# KiCad board panel.opm-inline.kicad_pcb (continued)
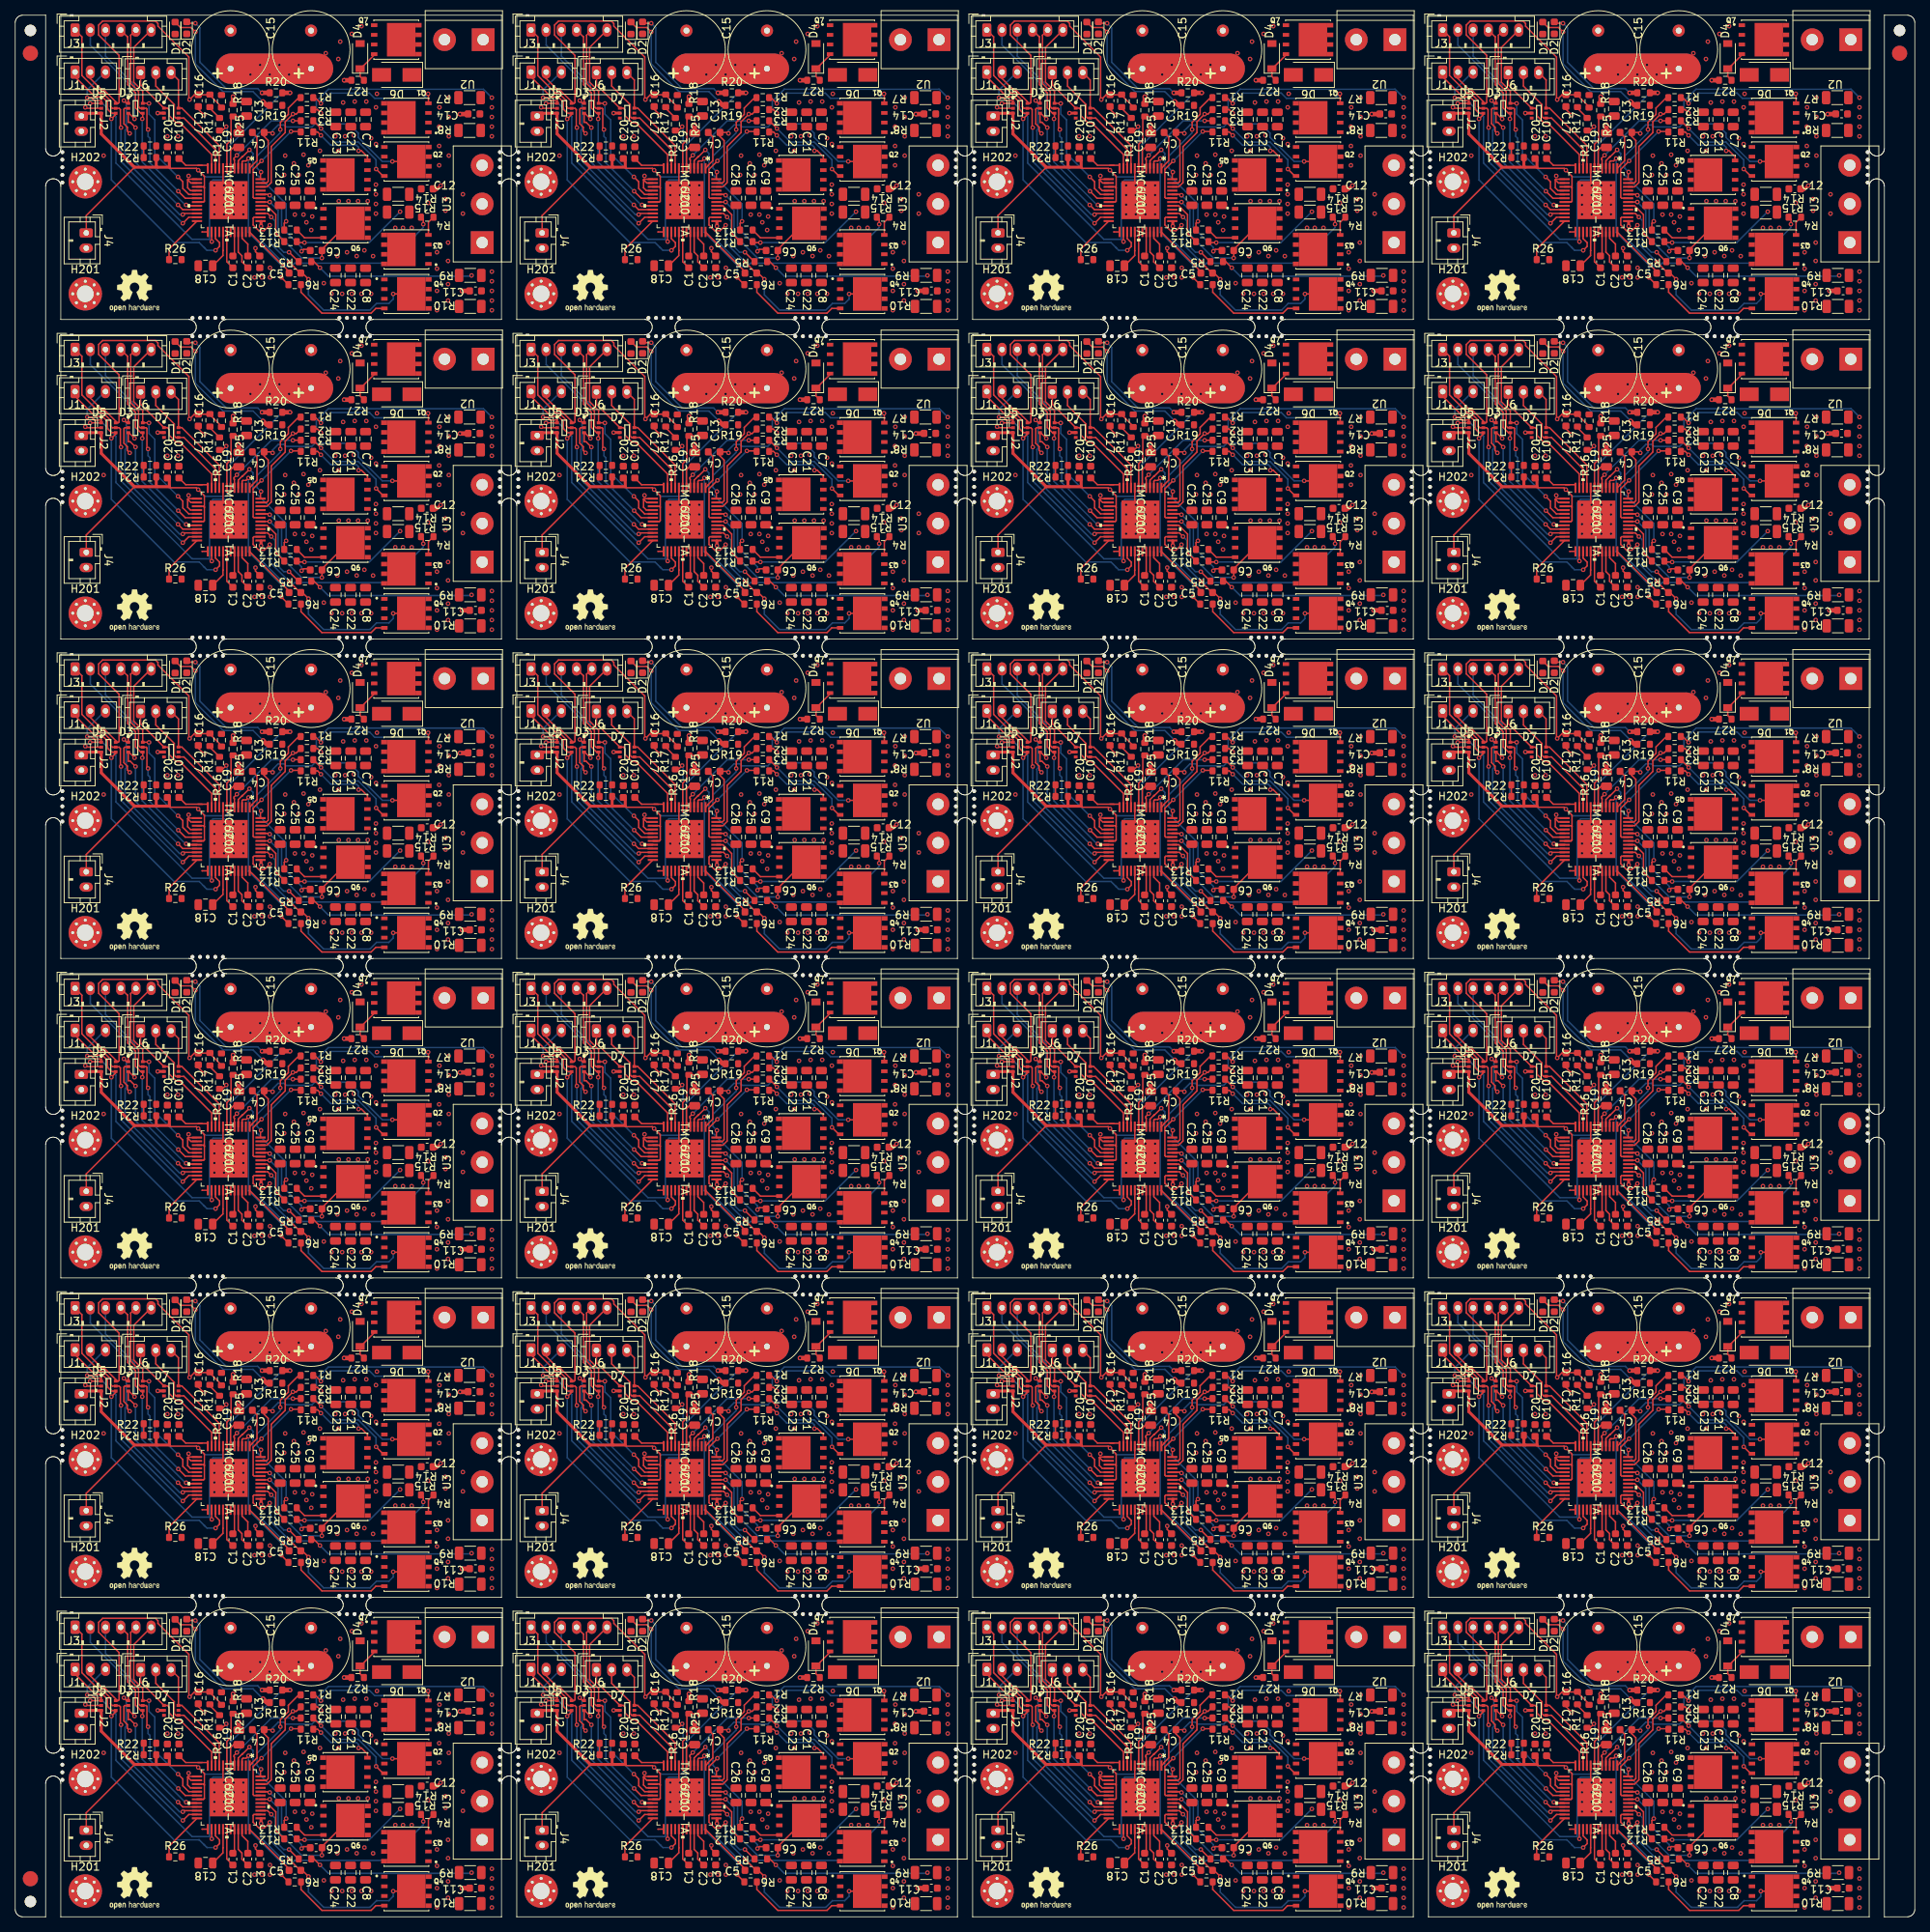
[diagram p0: board, top side]
## Routing (per net, layer and track width the routed paths; a pad name or vN(x,y) marks a point on that pad's centre or on a via; arc(x,y) is an arc through that point) (continued)
Board_10-/ADC_I_v: length 17.7
  Top w0.2: 146.17,146.33 146.23,146.27 IC1#4.10 146.23,148.31 142.08,152.45 D7#17.4 141.03,152.45 140.82,152.66 140.82,154.23 138.39,156.66 J6#2.2 138.89,157.93
Board_10-/ADC_I_w: length 17
  Top w0.2: IC1#4.11 145.73,147.66 141.56,151.83 141.08,151.83 140.16,152.75 140.16,153.51 139.92,153.75 D7#17.1 136.39,156.84 J6#2.1
Board_10-/Connectors/VOFS: length 1.8
  Top w0.2: R22#18.1 R21#11.2 ; 136.48,147.13 136.8,147.13
Board_10-/DRV_EN: length 38.5
  Top w0.2: v1(132.54,152.34) 133.11,152.91 D5#5.4 132.56,153.09 132.04,153.61 132.04,154.56 131.34,155.25 130.4,155.25 127.77,157.88 J1#20.1 ; v1(146.25,135.07) 146.77,135.59 146.77,136.08 146.23,136.61 IC1#4.27 146.23,137.07 146.25,137.05
  Bottom w0.2: 144.74,135.45 144.86,135.32 ; 144.74,135.45 144.1,136.09 140.78,136.09 132.54,144.32 v1(132.54,152.34) ; 144.74,135.45 145.12,135.07 v1(146.25,135.07)
Board_10-/FAULT: length 63.4
  Top w0.2: v1(129.75,154.37) 129.77,154.39 D5#5.1 131.21,154.7 ; 131.27,154.75 130.33,154.75 129.95,155.14 v1(129.37,155.14) ; v1(145.75,136.21) 145.73,136.23 IC1#4.26
  Top w0.6: R20#15.2 v1(156.04,155.77)
  Bottom w0.2: 133.05,152.72 132.83,152.94 ; 133.05,152.72 133.14,152.63 133.14,146.54 143.17,136.51 145.45,136.51 ; 133.05,152.72 131.4,154.37 v1(129.75,154.37) ; 145.45,136.51 v1(145.75,136.21) ; 145.45,136.51 145.45,143.85 145.92,144.32 147.95,144.32 148.18,144.56 148.18,148.93 R20#15.2 v1(156.04,155.77) ; J1#20.3 131.71,158.5 129.37,156.15 v1(129.37,155.14)
Board_10-/Motor Driver/VOFS: length 4.7
  Top w0.2: 143.94,146.25 145.21,146.25 ; C10#17.1 142.32,146.25 144.48,146.25
Board_10-/TEMP_PCB: length 42.5
  Top w0.2: 133.11,161.14 133.1,161.15 ; 133.1,161.15 133.56,160.69 133.56,154.5 133.45,154.39 D5#5.6 133.11,154.61 131.68,156.05 131.38,156.05 129.77,157.65 J1#20.2 ; 133.1,161.15 130.87,163.38 130.87,164.67 131.4,165.2 138.35,165.2 138.67,164.88 138.67,164.54 142.74,160.47 142.74,154.97 v1(142.83,154.88) 143.47,155.52 C17#4.1 145.47,155.52 R17#22.2 145.5,155.45 147.02,153.93
Board_10-/U: length 27.2
  Top w0.2: R2#14.1 159.64,153.57 v1(160.1,153.1)
  Bottom w0.2: v1(182.58,155.14) 181.47,156.24 161.09,156.24 159.5,154.66 159.5,153.7 v1(160.1,153.1)
  vias: v1(182.58,153.87) v1(182.58,152.6) v1(182.58,151.33) v1(182.58,150.06)
Board_10-/UH: length 27.5
  Top w0.2: v1(141.31,144.72) 141.94,144.09 141.94,143.2 142.72,142.42 IC1#4.17 ; 137.77,163.67 J3#5.6 135.49,161.74 135.49,157.17 136.67,155.99 D3#20.6 137.48,154.39 v1(137.5,154.37)
  Bottom w0.2: v1(137.5,154.37) 137.5,152.98 138.26,152.22 138.26,147.77 v1(141.31,144.72)
Board_10-/UL: length 27.4
  Top w0.2: v1(137.37,150.94) 137.22,151.1 137.22,153.64 137.12,153.74 D3#20.5 136.33,153.74 136.12,153.95 136.12,155.95 135.97,156.09 135.97,156.12 135.09,157 135.09,163.34 J3#5.5 ; IC1#4.18 142.26,141.92 v1(141.34,142.84)
  Bottom w0.2: v1(137.37,150.94) 137.37,150.06 137.62,149.8 137.62,146.55 v1(141.34,142.84)
Board_10-/V: length 15.3
  Top w0.2: R12#22.1 157.05,136.09 v1(157.94,136.09)
  Bottom w0.2: v1(170.52,140.15) 166.45,136.09 v1(157.94,136.09)
  vias: v1(174.2,141.29) v1(176.49,141.8) v1(176.49,140.28) v1(178.77,142.44) v1(178.77,139.9)
Board_10-/VH: length 30.4
  Top w0.2: v1(142.38,141.04) 142.5,140.92 IC1#4.20 142.93,140.92 ; D3#20.4 136.41,153.09 135.72,153.78 135.72,155.77 135.32,156.17 135.32,156.21 134.69,156.84 134.69,163.14 134.66,163.14 J3#5.4 ; D3#20.4 136.47,153.09 ; D3#20.4 136.67,152.28
  Bottom w0.2: 136.61,152.21 136.61,146.68 142.38,140.92 142.19,140.92 142.19,141.03 ; 134.32,163.48 J3#5.4
  vias: v1(136.61,152.34)
Board_10-/VL: length 32.1
  Top w0.2: IC1#4.21 141.93,140.42 v1(141.31,141.04) ; v1(135.59,152.34) 134.85,153.09 D3#20.3 ; 134.83,153.03 D3#20.3 ; D3#20.3 134.77,151.89 135.02,151.89 v1(135.72,151.2)
  Bottom w0.2: v1(135.59,152.34) 135.59,156.79 131.77,160.61 J3#5.3 ; v1(141.31,141.04) 135.72,146.63 v1(135.72,151.2)
Board_10-/VSA: length 5
  Top w0.2: C18#9.1 147.22,134.39 147.22,135.03 147.23,135.04 IC1#4.29
Board_10-/W: length 21.9
  Top w0.2: 158.86,133.8 158.83,133.78 ; R5#21.1 159.18,133.58 v1(159.98,132.78)
  Bottom w0.2: v1(159.98,132.78) 161.08,131.68 179.82,131.68 v1(179.92,131.77)
  vias: v1(182.58,132.28) v1(182.58,131.01) v1(182.58,129.74) v1(182.58,128.47) v1(182.58,127.2)
Board_10-/WH: length 33.7
  Top w0.2: v1(134.2,154.75) 134.56,154.39 D3#20.1 ; IC1#4.22 142.09,139.92 v1(141.94,139.77) ; D3#20.1 134.7,154.45 ; D3#20.1 134.77,155.2 v1(134.96,155.39)
  Bottom w0.2: 134.81,146.48 141.52,139.77 v1(141.94,139.77) ; 134.81,146.48 134.36,146.93 134.36,150.85 134.5,150.99 134.5,154.45 v1(134.2,154.75) ; 134.81,146.48 134.7,146.58 ; 133.41,158.4 133.21,158.6 ; 133.21,158.6 129.77,162.04 J3#5.2 ; 133.21,158.6 134.61,157.2 ; 134.7,157.11 134.61,157.2 ; 134.61,157.2 134.96,156.86 v1(134.96,155.39)
Board_10-/WL: length 34.8
  Top w0.2: IC1#4.23 142.73,139.42 v1(141.94,138.63) ; v1(133.81,151.2) 133.73,151.28 133.73,153.57 133.56,153.74 D5#5.5 132.66,153.74 132.44,153.97 132.44,154.72 131.51,155.65 131.07,155.65 128.67,158.05 128.67,163.13 J3#5.1 127.79,164.03
  Bottom w0.2: v1(141.94,138.63) 133.81,146.75 v1(133.81,151.2) ; 127.77,163.48 J3#5.1
Board_10-GND: length 31.2
  Top w0.2: 179.44,152.98 C14#20.2 ; C17#4.2 143.97,153.61 v1(144.74,152.85) ; D5#5.2 129.24,153.74 v1(129.12,153.87) ; 144.48,137.48 144.49,137.49 IC1#4.25 145.23,137.38 ; 149.73,143.42 IC1#4.EPAD ; IC1#4.EPAD 147.23,142.42 IC1#4.8 ; IC1#4.EPAD 145.73,139.42 ; v1(134.96,150.44) 134.66,150.74 134.66,151.24 134.2,151.71 134.2,153.61 134.32,153.74 D3#20.2 ; C3#24.2 151.49,134.89 v1(151.49,135.35) ; IC1#4.13 142.65,144.42 142.58,144.34 ; IC1#4.14 143,143.92 142.58,144.34 ; 142.58,144.34 142.58,143.29 142.95,142.92 IC1#4.16
  Top w0.4: 174.85,143.07 175.34,143.07 v1(175.85,143.58) ; D7#17.2 v1(138.64,153.1)
  Top w0.6: v1(163.15,157.42) R27#4.2 ; v1(178.65,129.74) C11#7.2 ; v1(178.39,152.98) 179.44,152.98 ; C19#2.2 v1(149.31,151.58)
  vias: v1(131.53,147.52) v1(139.91,150.06) v1(141.31,150.06) v1(142.7,144.85) v1(146.09,143.61) v1(146.09,142.34) v1(146.09,141.07) v1(146.09,139.8) v1(147.36,143.61) v1(147.36,142.34) v1(147.36,141.07) v1(147.36,139.8) v1(148.63,143.61) v1(148.63,142.34) v1(148.63,141.07) v1(148.63,139.8) v1(149.9,143.61) v1(149.9,142.34) v1(149.9,141.07) v1(149.9,139.8) v1(156.67,139.77) v1(157.82,139.77) v1(158.2,138.75) v1(158.83,137.74) v1(158.96,139.51) v1(160.48,130.75) v1(161.5,129.35) v1(162.01,150.06) v1(162.9,129.35) v1(163.28,150.06) v1(164.17,129.35) v1(164.42,150.18) v1(165.44,129.35) v1(166.71,149.8) v1(166.71,129.35) v1(167.34,149.04)
Board_10-Net-(C1-Pad1): length 5
  Top w0.2: IC1#4.30 147.73,133.57 C1#20.1
Board_10-Net-(C1-Pad2): length 3.2
  Top w0.2: C1#20.2 148.73,134.54 IC1#4.32
Board_10-Net-(C2-Pad2): length 3.5
  Top w0.2: IC1#4.34 149.73,136.65 150.49,135.89 C2#23.2
Board_10-Net-(C4-Pad1): length 31
  Top w0.2: C4#14.1 152.64,150.09 ; C4#14.1 153.63,150.56 v1(153.75,150.44) ; C4#14.1 152.64,150.03 153.17,149.49 153.17,144.14 152.95,143.92 IC1#4.47 ; v1(169.5,146.75) 169.51,146.75 Q2#14.5
  Bottom w0.2: v1(153.75,150.44) 153.75,150.82 154.48,151.54 155.24,151.54 155.5,151.29 158.93,151.29 159.32,151.68 163.81,151.68 165.02,150.47 165.02,149.91 168.18,146.75 v1(169.5,146.75)
  vias: v1(175.69,153.87) v1(175.65,151.33) v1(175.65,148.79) v1(175.65,146.25) v1(176.92,155.14) v1(176.92,152.6) v1(176.92,150.06) v1(176.92,147.52)
Board_10-Net-(C4-Pad2): length 5.4
  Top w0.2: C4#14.2 151.69,149.96 151.69,146.85 151.09,146.25 151.09,146.2 IC1#4.1
Board_10-Net-(C5-Pad1): length 7.4
  Top w0.2: IC1#4.36 150.73,137.46 155.91,132.28
Board_10-Net-(C5-Pad2): length 31.7
  Top w0.2: v1(169.61,129.34) Q4.5 ; v1(158.47,131.27) 157.66,132.08 C5#19.2 ; v1(153.37,138.37) 152.65,137.64 151.94,137.64 151.19,138.4 151.19,139.3 151.31,139.42 IC1#4.38 ; 157.46,132.28 157.18,132.28 v1(155.91,133.55)
  Bottom w0.2: v1(153.37,138.37) 153.47,138.27 153.47,135.99 v1(155.91,133.55) ; v1(169.61,129.34) 169.61,128.65 169.04,128.08 167.41,128.08 166.54,127.22 160.46,127.22 158.47,129.21 v1(158.47,131.27)
  vias: v1(175.36,134.82) v1(175.36,132.66) v1(175.36,129.74) v1(175.36,127.2) v1(176.82,136.09) v1(176.82,133.67) v1(176.82,130.62) v1(176.82,128.47)
Board_10-Net-(C6-Pad1): length 19.3
  Top w0.2: v1(153.37,141.42) 153.37,141.42 IC1#4.42 ; Q6#13.5 163.67,138.63 160.24,135.2 160.24,134.07 v1(160.23,134.05)
  Bottom w0.2: v1(153.37,141.42) 154.47,140.32 154.47,137.15 157.56,134.05 v1(160.23,134.05)
  vias: v1(162.45,141.54) v1(163.72,141.54) v1(164.99,141.54) v1(166.26,141.54) v1(167.33,143.71) v1(167.33,142.44) v1(167.33,141.17) v1(167.33,139.9)
Board_10-Net-(C6-Pad2): length 12.4
  Top w0.2: v1(157.56,134.94) 157.82,135.2 158.69,135.2 ; v1(153.37,142.31) 153.27,142.42 IC1#4.44 153.01,142.42
  Bottom w0.2: v1(157.56,134.94) 157.56,135.45 154.93,138.08 154.93,140.75 v1(153.37,142.31)
Board_10-Net-(D1-Pad2): length 19.4
  Top w0.2: R19#19.1 152.99,154.12 ; D1#17.2 141.64,164.36 143.01,164.36 v1(143.59,163.77)
  Top w0.6: 152.99,154.12 v1(152.48,154.63)
  Bottom w0.2: v1(143.59,163.77) 143.59,159.58 147.24,155.93 151.18,155.93 v1(152.48,154.63)
Board_10-Net-(D2-Pad2): length 17.4
  Top w0.2: v1(143.59,164.91) 142.63,164.91 D2#16.2
  Top w0.6: R20#15.1 v1(152.36,155.77)
  Bottom w0.2: v1(143.59,164.91) 144.19,164.31 144.19,159.79 147.65,156.33 151.79,156.33 v1(152.36,155.77)
Board_10-Net-(D4-Pad1): length 4.4
  Top w0.2: 165.31,158.95 167.11,160.75 Q7#10.4 ; D4#23.1 165.26,157.92 R27#4.1
Board_10-Net-(IC1-Pad3): length 20.6
  Top w0.2: v1(150.58,147.13) 150.26,146.82 149.85,146.82 149.73,146.7 IC1#4.3 ; v1(154.9,131.51) 154.9,131.49 R6#4.2
  Bottom w0.2: v1(150.58,147.13) 150.58,137.43 154.9,133.11 v1(154.9,131.51)
Board_10-Net-(IC1-Pad4): length 16.7
  Top w0.2: 149.73,147.35 149.82,147.43 ; 149.73,147.35 149.23,146.85 IC1#4.4 149.23,146.66 ; 149.73,147.35 149.77,147.35 v1(150.71,148.28) ; v1(155.53,138.88) 155.28,138.63 R13#11.2
  Bottom w0.2: v1(155.53,138.88) 155.53,141.17 151.18,145.52 151.18,147.8 v1(150.71,148.28)
Board_10-Net-(IC1-Pad5): length 12.2
  Top w0.2: v1(149.05,147.56) 148.67,147.18 148.67,147.01 148.73,146.95 IC1#4.5 ; R3#11.2 156.43,152.1 v1(156.42,152.09)
  Bottom w0.2: v1(149.05,147.56) 153.58,152.09 v1(156.42,152.09)
Board_10-Net-(IC1-Pad24): length 6.6
  Top w0.2: R26#15.1 140.13,135.24 IC1#4.24
Board_10-Net-(IC1-Pad37): length 28.9
  Top w0.2: v1(173.57,138.5) 173.57,139.12 R4#10.2 ; 152.23,138.85 IC1#4.37
  Top w0.4: v1(152.23,138.24) 152.23,138.85
  Bottom w0.2: v1(173.57,138.5) 173.57,138.07 168.87,133.38 156.64,133.38 156.2,132.95 155.62,132.95 152.23,136.34 v1(152.23,138.24)
Board_10-Net-(IC1-Pad39): length 9.3
  Top w0.2: 157.18,133.78 156.95,133.78 v1(155.91,134.82) ; v1(153.57,139.44) 153.1,139.92 IC1#4.39
  Bottom w0.2: v1(153.57,139.44) 154.07,138.94 154.07,135.95 155.21,134.82 v1(155.91,134.82)
Board_10-Net-(IC1-Pad41): length 6.5
  Top w0.2: IC1#4.41 153.01,140.92 154.17,139.76 154.17,137.32 R12#22.2
Board_10-Net-(IC1-Pad43): length 13.1
  Top w0.2: IC1#4.43 151.31,141.92 151.19,142.04 151.19,145.71 v1(152.29,146.82) ; v1(156.17,150.69) 157.39,150.69 R11#10.2
  Bottom w0.2: v1(152.29,146.82) v1(156.17,150.69)
Board_10-Net-(IC1-Pad46): length 13.1
  Top w0.2: IC1#4.46 153.01,143.42 153.57,143.97 153.57,148.71 155.4,150.55 155.4,151.96 156.42,152.98 v1(156.42,152.98) 156.86,152.98 R2#14.2
Board_10-Net-(IC1-Pad48): length 13.8
  Top w0.2: R1#22.2 157.18,155.14 155.82,153.77 155.82,152.94 154.77,151.89 v1(154.77,150.94) ; v1(152.23,145.36) 152.16,145.29 IC1#4.48
  Bottom w0.2: v1(154.77,150.94) 154.77,150.52 151.69,147.44 151.69,145.89 v1(152.23,145.36) 152.23,145.61
Board_10-Net-(Q1-Pad4): length 17.8
  Top w0.2: Q1#5.4 174.24,155.6 v1(174.2,155.64) ; R1#22.1 159.34,155.14 v1(160.1,154.37)
  Bottom w0.2: v1(174.2,155.64) 173.6,155.04 167.18,155.04 166.49,155.74 161.47,155.74 v1(160.1,154.37)
Board_10-Net-(Q2-Pad4): length 13.2
  Top w0.2: v1(167.36,145.75) 168.27,144.84 Q2#14.4 ; 160.23,150.97 v1(160.11,151.08) R3#11.1
  Bottom w0.2: v1(167.36,145.75) 167.36,146.96 165.02,149.29 161.9,149.29 v1(160.11,151.08)
Board_10-Net-(Q3-Pad4): length 2.6
  Top w0.2: R4#10.1 174.24,138.76 Q3#6.4
Board_10-Net-(Q4-Pad4): length 13.5
  Top w0.2: Q4.4 167.32,127.43 166.71,126.81 160.23,126.81 157.48,129.56 R6#4.1 157.68,130.56
Board_10-Net-(Q5-Pad4): length 9.2
  Top w0.2: v1(160.1,150.18) 159.66,150.63 R11#10.1 ; Q5#13.4 166.22,147.37 165.44,148.15 v1(165.06,148.15)
  Bottom w0.2: v1(160.1,150.18) 161.4,148.89 164.78,148.89 165.06,148.6 v1(165.06,148.15)
Board_10-Net-(Q6-Pad4): length 3.9
  Top w0.2: R13#11.1 157.94,136.72 Q6#13.4
Board_10-Net-(R16-Pad2): length 2
  Top w0.2: R16#24.2 145.5,153.74 R17#22.1
Board_11-/+VM: length 61.7
  Top w0.2: IC1#8.33 209.18,134.83 209.67,134.35 209.67,133.55 C2#13.1
  Top w0.6: R25#19.2 v1(208.5,155.26)
  Top w4: 208.24,158.95 219.67,158.95
  In1.Cu w4: 208.5,158.95 218.3,158.95
  In2.Cu w4: 208.24,158.95 219.67,158.95 208.24,158.95
  Bottom w4: 208.24,158.95 219.67,158.95
  vias: v1(210.78,158.18) v1(211.31,131.51) v1(212.05,159.45) v1(212.28,131.51) v1(213.32,158.18) v1(213.35,132.78) v1(213.35,131.51) v1(214.59,159.45) v1(215.23,144.98) v1(215.35,147.52) v1(215.86,158.18) v1(216.5,146.5) v1(217.13,159.45) v1(217.13,144.98) v1(217.77,147.64) v1(218.4,146.25) v1(219.93,148.15) v1(220.69,160.98) v1(222.21,134.32) v1(222.34,160.22) v1(222.34,148.15) v1(222.59,162.5) v1(222.97,154.5) v1(223.48,134.82) v1(224.12,163.52) v1(224.5,154.63) v1(224.75,134.32) v1(225.39,164.53) v1(225.77,135.07) v1(226.02,154.63) v1(226.91,134.31) v1(227.29,153.87) v1(227.42,155.64) v1(229.83,138.03) v1(230.85,138.03) v1(231.99,138.03)
Board_11-/ADC_I_u: length 15.5
  Top w0.2: IC1#8.9 206.68,148.84 201.77,153.75 D7#23.6 201.32,157.46 J6#15.3
Board_11-/ADC_I_v: length 17.7
  Top w0.2: 206.12,146.33 206.18,146.27 IC1#8.10 206.18,148.31 202.03,152.45 D7#23.4 200.98,152.45 200.77,152.66 200.77,154.23 198.34,156.66 J6#15.2 198.84,157.93
Board_11-/ADC_I_w: length 17
  Top w0.2: IC1#8.11 205.68,147.66 201.51,151.83 201.03,151.83 200.11,152.75 200.11,153.51 199.87,153.75 D7#23.1 196.34,156.84 J6#15.1
Board_11-/Connectors/VOFS: length 1.8
  Top w0.2: R22#13.1 R21#16.2 ; 196.43,147.13 196.75,147.13
Board_11-/DRV_EN: length 38.5
  Top w0.2: v1(192.49,152.34) 193.06,152.91 D5#16.4 192.51,153.09 191.99,153.61 191.99,154.56 191.29,155.25 190.35,155.25 187.72,157.88 J1#8.1 ; v1(206.2,135.07) 206.72,135.59 206.72,136.08 206.18,136.61 IC1#8.27 206.18,137.07 206.2,137.05
  Bottom w0.2: 204.69,135.45 204.81,135.32 ; 204.69,135.45 204.05,136.09 200.73,136.09 192.49,144.32 v1(192.49,152.34) ; 204.69,135.45 205.07,135.07 v1(206.2,135.07)
Board_11-/FAULT: length 63.4
  Top w0.2: v1(189.7,154.37) 189.72,154.39 D5#16.1 191.16,154.7 ; 191.22,154.75 190.28,154.75 189.9,155.14 v1(189.32,155.14) ; v1(205.7,136.21) 205.68,136.23 IC1#8.26
  Top w0.6: R20#10.2 v1(215.99,155.77)
  Bottom w0.2: 193,152.72 192.78,152.94 ; 193,152.72 193.09,152.63 193.09,146.54 203.12,136.51 205.4,136.51 ; 193,152.72 191.35,154.37 v1(189.7,154.37) ; 205.4,136.51 v1(205.7,136.21) ; 205.4,136.51 205.4,143.85 205.87,144.32 207.9,144.32 208.13,144.56 208.13,148.93 R20#10.2 v1(215.99,155.77) ; J1#8.3 191.66,158.5 189.32,156.15 v1(189.32,155.14)
Board_11-/Motor Driver/VOFS: length 4.7
  Top w0.2: 203.89,146.25 205.16,146.25 ; C10#24.1 202.27,146.25 204.43,146.25
Board_11-/TEMP_PCB: length 42.5
  Top w0.2: 193.06,161.14 193.05,161.15 ; 193.05,161.15 193.51,160.69 193.51,154.5 193.4,154.39 D5#16.6 193.06,154.61 191.63,156.05 191.33,156.05 189.72,157.65 J1#8.2 ; 193.05,161.15 190.82,163.38 190.82,164.67 191.35,165.2 198.3,165.2 198.62,164.88 198.62,164.54 202.69,160.47 202.69,154.97 v1(202.78,154.88) 203.42,155.52 C17#13.1 205.42,155.52 R17#12.2 205.45,155.45 206.97,153.93
Board_11-/U: length 27.2
  Top w0.2: R2#21.1 219.59,153.57 v1(220.05,153.1)
  Bottom w0.2: v1(242.53,155.14) 241.42,156.24 221.04,156.24 219.45,154.66 219.45,153.7 v1(220.05,153.1)
  vias: v1(242.53,153.87) v1(242.53,152.6) v1(242.53,151.33) v1(242.53,150.06)
Board_11-/UH: length 27.5
  Top w0.2: v1(201.26,144.72) 201.89,144.09 201.89,143.2 202.67,142.42 IC1#8.17 ; 197.72,163.67 J3#8.6 195.44,161.74 195.44,157.17 196.62,155.99 D3#6.6 197.43,154.39 v1(197.45,154.37)
  Bottom w0.2: v1(197.45,154.37) 197.45,152.98 198.21,152.22 198.21,147.77 v1(201.26,144.72)
Board_11-/UL: length 27.4
  Top w0.2: v1(197.32,150.94) 197.17,151.1 197.17,153.64 197.07,153.74 D3#6.5 196.28,153.74 196.07,153.95 196.07,155.95 195.92,156.09 195.92,156.12 195.04,157 195.04,163.34 J3#8.5 ; IC1#8.18 202.21,141.92 v1(201.29,142.84)
  Bottom w0.2: v1(197.32,150.94) 197.32,150.06 197.57,149.8 197.57,146.55 v1(201.29,142.84)
Board_11-/V: length 15.3
  Top w0.2: R12#24.1 217,136.09 v1(217.89,136.09)
  Bottom w0.2: v1(230.47,140.15) 226.4,136.09 v1(217.89,136.09)
  vias: v1(234.15,141.29) v1(236.44,141.8) v1(236.44,140.28) v1(238.72,142.44) v1(238.72,139.9)
Board_11-/VH: length 30.4
  Top w0.2: v1(202.33,141.04) 202.45,140.92 IC1#8.20 202.88,140.92 ; D3#6.4 196.36,153.09 195.67,153.78 195.67,155.77 195.27,156.17 195.27,156.21 194.64,156.84 194.64,163.14 194.61,163.14 J3#8.4 ; D3#6.4 196.42,153.09 ; D3#6.4 196.62,152.28
  Bottom w0.2: 196.56,152.21 196.56,146.68 202.33,140.92 202.14,140.92 202.14,141.03 ; 194.27,163.48 J3#8.4
  vias: v1(196.56,152.34)
Board_11-/VL: length 32.1
  Top w0.2: IC1#8.21 201.88,140.42 v1(201.26,141.04) ; v1(195.54,152.34) 194.8,153.09 D3#6.3 ; 194.78,153.03 D3#6.3 ; D3#6.3 194.72,151.89 194.97,151.89 v1(195.67,151.2)
  Bottom w0.2: v1(195.54,152.34) 195.54,156.79 191.72,160.61 J3#8.3 ; v1(201.26,141.04) 195.67,146.63 v1(195.67,151.2)
Board_11-/VSA: length 5
  Top w0.2: C18#5.1 207.17,134.39 207.17,135.03 207.18,135.04 IC1#8.29
Board_11-/W: length 21.9
  Top w0.2: 218.81,133.8 218.78,133.78 ; R5#14.1 219.13,133.58 v1(219.93,132.78)
  Bottom w0.2: v1(219.93,132.78) 221.03,131.68 239.77,131.68 v1(239.87,131.77)
  vias: v1(242.53,132.28) v1(242.53,131.01) v1(242.53,129.74) v1(242.53,128.47) v1(242.53,127.2)
Board_11-/WH: length 33.7
  Top w0.2: v1(194.15,154.75) 194.51,154.39 D3#6.1 ; IC1#8.22 202.04,139.92 v1(201.89,139.77) ; D3#6.1 194.65,154.45 ; D3#6.1 194.72,155.2 v1(194.91,155.39)
  Bottom w0.2: 194.76,146.48 201.47,139.77 v1(201.89,139.77) ; 194.76,146.48 194.31,146.93 194.31,150.85 194.45,150.99 194.45,154.45 v1(194.15,154.75) ; 194.76,146.48 194.65,146.58 ; 193.36,158.4 193.16,158.6 ; 193.16,158.6 189.72,162.04 J3#8.2 ; 193.16,158.6 194.56,157.2 ; 194.65,157.11 194.56,157.2 ; 194.56,157.2 194.91,156.86 v1(194.91,155.39)
Board_11-/WL: length 34.8
  Top w0.2: IC1#8.23 202.68,139.42 v1(201.89,138.63) ; v1(193.76,151.2) 193.68,151.28 193.68,153.57 193.51,153.74 D5#16.5 192.61,153.74 192.39,153.97 192.39,154.72 191.46,155.65 191.02,155.65 188.62,158.05 188.62,163.13 J3#8.1 187.74,164.03
  Bottom w0.2: v1(201.89,138.63) 193.76,146.75 v1(193.76,151.2) ; 187.72,163.48 J3#8.1
Board_11-GND: length 31.2
  Top w0.2: 239.39,152.98 C14#22.2 ; C17#13.2 203.92,153.61 v1(204.69,152.85) ; D5#16.2 189.19,153.74 v1(189.07,153.87) ; 204.43,137.48 204.44,137.49 IC1#8.25 205.18,137.38 ; 209.68,143.42 IC1#8.EPAD ; IC1#8.EPAD 207.18,142.42 IC1#8.8 ; IC1#8.EPAD 205.68,139.42 ; v1(194.91,150.44) 194.61,150.74 194.61,151.24 194.15,151.71 194.15,153.61 194.27,153.74 D3#6.2 ; C3#20.2 211.44,134.89 v1(211.44,135.35) ; IC1#8.13 202.6,144.42 202.53,144.34 ; IC1#8.14 202.95,143.92 202.53,144.34 ; 202.53,144.34 202.53,143.29 202.9,142.92 IC1#8.16
  Top w0.4: 234.8,143.07 235.29,143.07 v1(235.8,143.58) ; D7#23.2 v1(198.59,153.1)
  Top w0.6: v1(223.1,157.42) R27#12.2 ; v1(238.6,129.74) C11#4.2 ; v1(238.34,152.98) 239.39,152.98 ; C19#7.2 v1(209.26,151.58)
  vias: v1(191.48,147.52) v1(199.86,150.06) v1(201.26,150.06) v1(202.65,144.85) v1(206.04,143.61) v1(206.04,142.34) v1(206.04,141.07) v1(206.04,139.8) v1(207.31,143.61) v1(207.31,142.34) v1(207.31,141.07) v1(207.31,139.8) v1(208.58,143.61) v1(208.58,142.34) v1(208.58,141.07) v1(208.58,139.8) v1(209.85,143.61) v1(209.85,142.34) v1(209.85,141.07) v1(209.85,139.8) v1(216.62,139.77) v1(217.77,139.77) v1(218.15,138.75) v1(218.78,137.74) v1(218.91,139.51) v1(220.43,130.75) v1(221.45,129.35) v1(221.96,150.06) v1(222.85,129.35) v1(223.23,150.06) v1(224.12,129.35) v1(224.37,150.18) v1(225.39,129.35) v1(226.66,149.8) v1(226.66,129.35) v1(227.29,149.04)
Board_11-Net-(C1-Pad1): length 5
  Top w0.2: IC1#8.30 207.68,133.57 C1#8.1
Board_11-Net-(C1-Pad2): length 3.2
  Top w0.2: C1#8.2 208.68,134.54 IC1#8.32
Board_11-Net-(C2-Pad2): length 3.5
  Top w0.2: IC1#8.34 209.68,136.65 210.44,135.89 C2#13.2
Board_11-Net-(C4-Pad1): length 31
  Top w0.2: C4#2.1 212.59,150.09 ; C4#2.1 213.58,150.56 v1(213.7,150.44) ; C4#2.1 212.59,150.03 213.12,149.49 213.12,144.14 212.9,143.92 IC1#8.47 ; v1(229.45,146.75) 229.46,146.75 Q2#11.5
  Bottom w0.2: v1(213.7,150.44) 213.7,150.82 214.43,151.54 215.19,151.54 215.45,151.29 218.88,151.29 219.27,151.68 223.76,151.68 224.97,150.47 224.97,149.91 228.13,146.75 v1(229.45,146.75)
  vias: v1(235.6,151.33) v1(235.6,148.79) v1(235.6,146.25) v1(235.64,153.87) v1(236.87,155.14) v1(236.87,152.6) v1(236.87,150.06) v1(236.87,147.52)
Board_11-Net-(C4-Pad2): length 5.4
  Top w0.2: C4#2.2 211.64,149.96 211.64,146.85 211.04,146.25 211.04,146.2 IC1#8.1
Board_11-Net-(C5-Pad1): length 7.4
  Top w0.2: IC1#8.36 210.68,137.46 215.86,132.28
Board_11-Net-(C5-Pad2): length 31.7
  Top w0.2: v1(229.56,129.34) Q4#2.5 ; v1(218.42,131.27) 217.61,132.08 C5#16.2 ; v1(213.32,138.37) 212.6,137.64 211.89,137.64 211.14,138.4 211.14,139.3 211.26,139.42 IC1#8.38 ; 217.41,132.28 217.13,132.28 v1(215.86,133.55)
  Bottom w0.2: v1(213.32,138.37) 213.42,138.27 213.42,135.99 v1(215.86,133.55) ; v1(229.56,129.34) 229.56,128.65 228.99,128.08 227.36,128.08 226.49,127.22 220.41,127.22 218.42,129.21 v1(218.42,131.27)
  vias: v1(235.31,134.82) v1(235.31,132.66) v1(235.31,129.74) v1(235.31,127.2) v1(236.77,136.09) v1(236.77,133.67) v1(236.77,130.62) v1(236.77,128.47)
Board_11-Net-(C6-Pad1): length 19.3
  Top w0.2: v1(213.32,141.42) 213.32,141.42 IC1#8.42 ; Q6#3.5 223.62,138.63 220.19,135.2 220.19,134.07 v1(220.18,134.05)
  Bottom w0.2: v1(213.32,141.42) 214.42,140.32 214.42,137.15 217.51,134.05 v1(220.18,134.05)
  vias: v1(222.4,141.54) v1(223.67,141.54) v1(224.94,141.54) v1(226.21,141.54) v1(227.28,143.71) v1(227.28,142.44) v1(227.28,141.17) v1(227.28,139.9)
Board_11-Net-(C6-Pad2): length 12.4
  Top w0.2: v1(217.51,134.94) 217.77,135.2 218.64,135.2 ; v1(213.32,142.31) 213.22,142.42 IC1#8.44 212.96,142.42
  Bottom w0.2: v1(217.51,134.94) 217.51,135.45 214.88,138.08 214.88,140.75 v1(213.32,142.31)
Board_11-Net-(D1-Pad2): length 19.4
  Top w0.2: R19#8.1 212.94,154.12 ; D1#14.2 201.59,164.36 202.96,164.36 v1(203.54,163.77)
  Top w0.6: 212.94,154.12 v1(212.43,154.63)
  Bottom w0.2: v1(203.54,163.77) 203.54,159.58 207.19,155.93 211.13,155.93 v1(212.43,154.63)
Board_11-Net-(D2-Pad2): length 17.4
  Top w0.2: v1(203.54,164.91) 202.58,164.91 D2#14.2
  Top w0.6: R20#10.1 v1(212.31,155.77)
  Bottom w0.2: v1(203.54,164.91) 204.14,164.31 204.14,159.79 207.6,156.33 211.74,156.33 v1(212.31,155.77)
Board_11-Net-(D4-Pad1): length 4.4
  Top w0.2: 225.26,158.95 227.06,160.75 Q7#21.4 ; D4#10.1 225.21,157.92 R27#12.1
Board_11-Net-(IC1-Pad3): length 20.6
  Top w0.2: v1(210.53,147.13) 210.21,146.82 209.8,146.82 209.68,146.7 IC1#8.3 ; v1(214.85,131.51) 214.85,131.49 R6#14.2
  Bottom w0.2: v1(210.53,147.13) 210.53,137.43 214.85,133.11 v1(214.85,131.51)
Board_11-Net-(IC1-Pad4): length 16.7
  Top w0.2: 209.68,147.35 209.77,147.43 ; 209.68,147.35 209.18,146.85 IC1#8.4 209.18,146.66 ; 209.68,147.35 209.72,147.35 v1(210.66,148.28) ; v1(215.48,138.88) 215.23,138.63 R13#6.2
  Bottom w0.2: v1(215.48,138.88) 215.48,141.17 211.13,145.52 211.13,147.8 v1(210.66,148.28)
Board_11-Net-(IC1-Pad5): length 12.2
  Top w0.2: v1(209,147.56) 208.62,147.18 208.62,147.01 208.68,146.95 IC1#8.5 ; R3#16.2 216.38,152.1 v1(216.37,152.09)
  Bottom w0.2: v1(209,147.56) 213.53,152.09 v1(216.37,152.09)
Board_11-Net-(IC1-Pad24): length 6.6
  Top w0.2: R26#23.1 200.08,135.24 IC1#8.24
Board_11-Net-(IC1-Pad37): length 28.9
  Top w0.2: v1(233.52,138.5) 233.52,139.12 R4#23.2 ; 212.18,138.85 IC1#8.37
  Top w0.4: v1(212.18,138.24) 212.18,138.85
  Bottom w0.2: v1(233.52,138.5) 233.52,138.07 228.82,133.38 216.59,133.38 216.15,132.95 215.57,132.95 212.18,136.34 v1(212.18,138.24)
Board_11-Net-(IC1-Pad39): length 9.3
  Top w0.2: 217.13,133.78 216.9,133.78 v1(215.86,134.82) ; v1(213.52,139.44) 213.05,139.92 IC1#8.39
  Bottom w0.2: v1(213.52,139.44) 214.02,138.94 214.02,135.95 215.16,134.82 v1(215.86,134.82)
Board_11-Net-(IC1-Pad41): length 6.5
  Top w0.2: IC1#8.41 212.96,140.92 214.12,139.76 214.12,137.32 R12#24.2
Board_11-Net-(IC1-Pad43): length 13.1
  Top w0.2: IC1#8.43 211.26,141.92 211.14,142.04 211.14,145.71 v1(212.24,146.82) ; v1(216.12,150.69) 217.34,150.69 R11#9.2
  Bottom w0.2: v1(212.24,146.82) v1(216.12,150.69)
Board_11-Net-(IC1-Pad46): length 13.1
  Top w0.2: IC1#8.46 212.96,143.42 213.52,143.97 213.52,148.71 215.35,150.55 215.35,151.96 216.37,152.98 v1(216.37,152.98) 216.81,152.98 R2#21.2
